# KiCad board RUSP_Mainboard.kicad_pcb (continued)
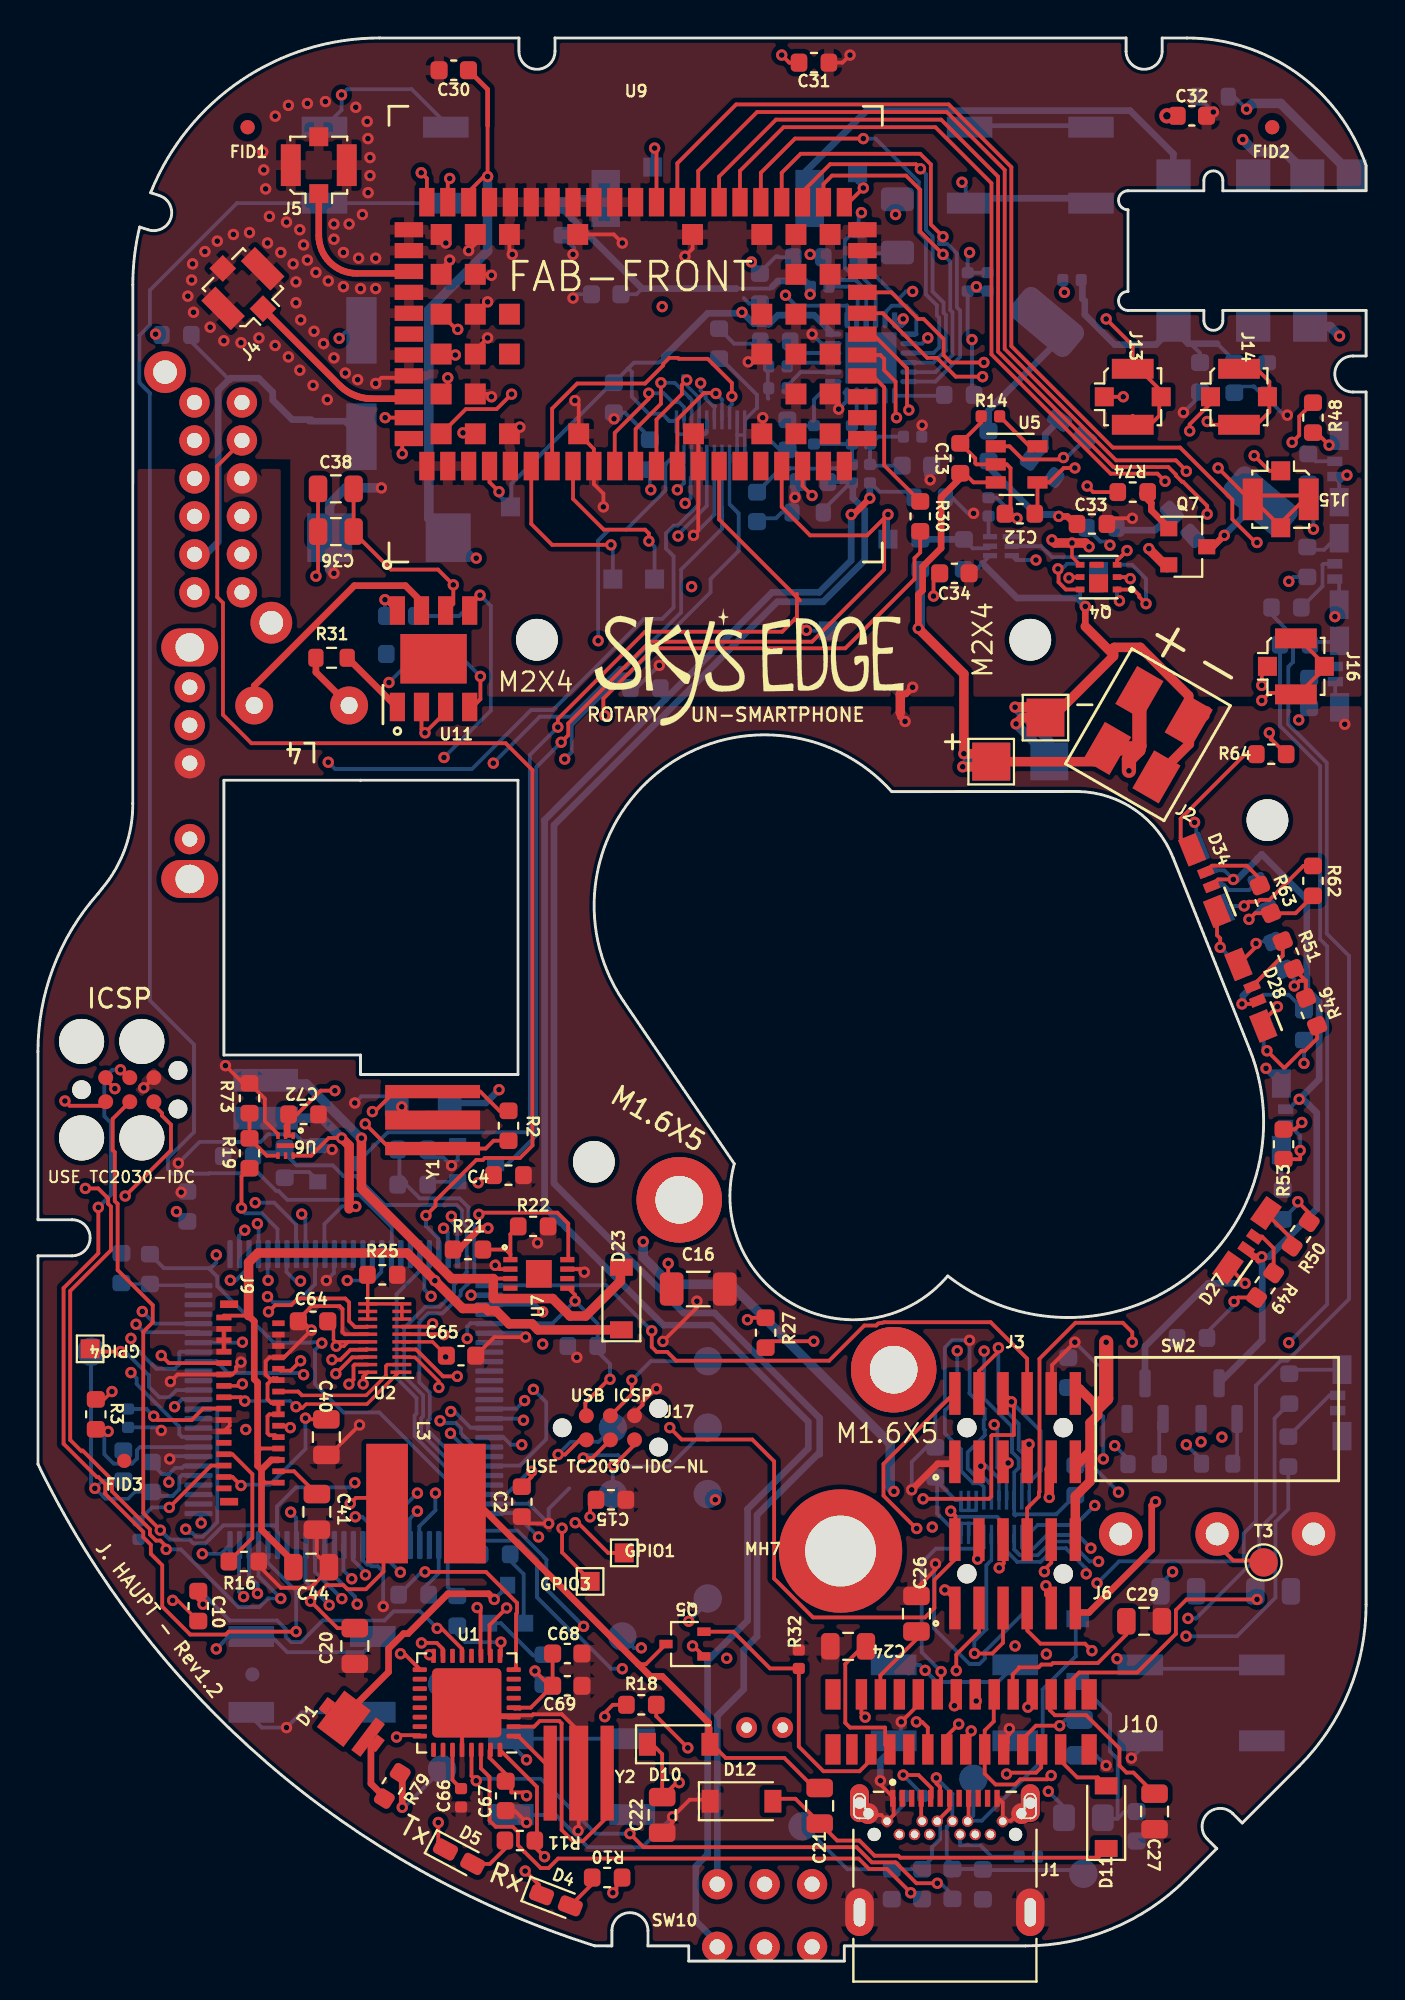
[diagram p0: board, top side]
## Library data of the parts
C2-C6 C10 = -: Distrib Part No.: 1276-1000-1-ND; Distrib. Name: Digi-Key; Label: 50V
C8 C9 = -: Distrib Part No.: 399-7918-1-ND; Distrib. Name: Digi-Key
C12 C13 = -: Mfg. Name: Samsung; Mfg. Part No.: CL10A475KQ8NNNC
C14 = -: Field8: CHRG. CAP.; Mfg. Name: Wurth; Mfg. Part No.: 865080243007
C15 C72 = -: Notes: X5R or X7R
C16 C17 C57 = -: Mfg. Name: TDK; Mfg. Part No.: CGA5L1X7R1V106K160AC
C20-C22 = -: Mfg. Name: Samsung; Mfg. Part No.: CL21A475KBQNNNE
C23-C29 = -: Mfg. Name: Yageo; Mfg. Part No.: CC0805KKX7R9BB105
C30 = -: Mfg. Name: Murata; Mfg. Part No.: GRM1555C1H680JA01J
C32 = -: Mfg. Name: Yageo; Mfg. Part No.: CC0402DRNPO9BN8R2
C35 = -: Mfg. Name: Kemet; Mfg. Part No.: T520D337M006ATE045
C36 C38 C40 = -: Mfg. Name: Kemet; Mfg. Part No.: C0805C105K4RACTU
C41 C44 = -: Mfg. Name: Kemet; Mfg. Part No.: C0805C475K3PACTU
C43 C45 C51-C53 C55 C58 C59 C66 = -: Mfg. Name: Kemet; Mfg. Part No.: C0402C105K9PACTU
C50 C54 = -: Mfg. Name: Kemet; Mfg. Part No.: C0603C225K9PACTU
D1 = -: Color: WHITE; Mfg. Name: Osram; Mfg. Part No.: KW DSLP31.CC-GXHX-4J8K-Z444-60-R18
D2 = -: Color: AMBER; Distrib Part No.: 1830-1066-1-ND; Distrib. Name: DigiKey; Mfg. Name: Inolux; Mfg. Part No.: IN-S63AT5Y
D3 = -: Distrib Part No.: MBR130T3GOSCT-ND; Distrib. Name: DigiKey; Mfg. Name: ON Semiconductor; Mfg. Part No.: MBR130T3G
D4 = -: Color: Rx/GREEN; Distrib Part No.: 475-3442-1-ND‎; Distrib. Name: DigiKey; Mfg. Name: OSRAM; Mfg. Part No.: LT Q39G-Q1OO-25-1
D5 = -: Color: Tx/YELLOW; Distrib Part No.: 1830-1066-1-ND‎; Distrib. Name: DigiKey; Mfg. Name: Inolux; Mfg. Part No.: IN-S63AT5Y
D6 = -: Color: WHITE
D10-D12 = -: Mfg. Name: ON Semi; Mfg. Part No.: MBR0530
D15-D18 = -: Mfg. Name: AVX; Mfg. Part No.: USB0001DP
D22 = -: Alt. Part No.: LTST-C191TBKT; Color: TEAL; Mfg. Name: Rohm; Mfg. Part No.: SMLE13EC8TT86
D23 = -: Mfg. Name: Nexperia; Mfg. Part No.: PMEG2005EGWJ
D25-D34 = -: Mfg. Name: Dialight; Mfg. Part No.: 5988560207F
J1 = -: Mfg. Name: CUI; Mfg. Part No.: UJ31-CH-G1-SMT-TR
J2 = -: Mfg. Name: AVX; Mfg. Part No.: 009296002202906
J3 J6 = -: Mfg. Name: Samtec; Mfg. Part No.: FTSH-106-01-L-DV-P-TR
J4 J5 J13-J16 = -: Mfg. Name: Molex; Mfg. Part No.: 0734120110
J7 J17 = -: Label: ICSP; Mfg. Name: Tag-Connect; Mfg. Part No.: Mating Connector: TC2030-IDC
J8 = -: Label: TRRS JACK; Mfg. Name: CUI; Mfg. Part No.: SJ-43617-SMT-TR
J9 = -: Alt. Mfg. Name: or Hirose; Alt. Mfg. Par No.: FH26W-31S-0.3SHW(60); Mfg. Name: Crystalfontz; Mfg. Part No.: CS030Z31G-A0
J10 = -: Mfg. Name: Molex; Mfg. Part No.: 0525592452
L1 = -: Distrib Part No.: 240-2390-1-ND; Distrib. Name: DigiKey; Label: Ferrite Bead; Mfg. Name: Laird; Mfg. Part No.: MI0805K601R-10
L2 = -: Mfg. Name: Wurth; Mfg. Part No.: 74438336047
L3 = -: Mfg. Name: Wurth; Mfg. Part No.: 744053100
L4 = -: Mfg. Name: Bourns; Mfg. Part No.: RLB9012-472KL
L5-L8 = -: Mfg. Name: Murata; Mfg. Part No.: BLM15HD182SN1D
LS1 = -: Mfg. Name: PUI Audio; Mfg. Part No.: AR01232MS-SC12-WP-R
MH7 = -: Mfg. Name: PEM; Mfg. Part No.: SMTSO-M2-3ET
MH9 MH10 = -: Mfg. Name: PEM; Mfg. Part No.: SMTSO-M1.6-1ET
MK1 = -: Mfg. Name: PUI Audio; Mfg. Part No.: POM-2738P-R
Q1 Q2 = -: Mfg. Name: Diodes Incorporated; Mfg. Part No.: DMG2302UK-7
Q3 Q4 = -: Mfg. Name: TI
Q5 = -: Alt. Part No.: NX3020NAKW,115; Mfg. Name: Vishay; Mfg. Part No.: SI1308EDL-T1-GE3
Q6-Q9 = -: Mfg. Name: Fairchild
R2 = -: Distrib Part No.: 311-1.00MHRCT-ND; Distrib. Name: Digi-Key
R3 R6 R7 = -: Distrib Part No.: RMCF0603JT27R0CT-ND; Distrib. Name: Digi-Key
R4 R5 = -: Mfg. Name: Yageo; Mfg. Part No.: RC0402FR-075K1L
R8-R11 = -: Distrib Part No.: P1.0KGCT-ND; Distrib. Name: Digi-Key
R13 R35 R38 = -: Mfg. Name: Panasonic; Mfg. Part No.: ERJ-2GEJ222X
R14 = -: Label: Hi Rate; Mfg. Name: Panasonic; Mfg. Part No.: ERJ-2GEJ222X
R15 = -: Mfg. Name: Panasonic; Mfg. Part No.: ERJ-3GEYJ100V
R17 R45-R64 = -: Distrib Part No.: A130092CT-ND; Distrib. Name: Digi-Key
R32 = -: Mfg. Name: Panasonic; Mfg. Part No.: ERJ-2BQJR47X; Note: SETS COMPATIBILITY FOR GDEW029I6F
SW1 = -: Distrib Part No.: CKN9561-ND; Distrib. Name: DigiKey; Label: Mode; Mfg. Name: C&K; Mfg. Part No.: OS103011MA7QP1
SW2 = -: Mfg. Name: Omron; Mfg. Part No.: D2F-01FL2-A1
SW3 SW5 SW6 SW8 = -: Label: SIG STRENGTH; Mfg. Name: Panasonic; Mfg. Part No.: EVQ-Q2Y03W
SW4 = -: Label: CLEAR; Mfg. Name: Panasonic; Mfg. Part No.: EVQ-Q2Y03W
SW7 = -: Label: HOOK; Mfg. Name: Panasonic; Mfg. Part No.: EVQ-Q2Y03W
SW9 = -: Mfg. Name: E-Switch; Mfg. Part No.: EG4208
SW10 = -: Mfg. Name: Nidec Copal; Mfg. Part No.: CL-SB-22C-11
U1 = -: Mfg. Name: ATmega; Mfg. Part No.: ATmega16U2-MU
U2 U8 = -: Label: (3.8V -> 3.3V SHIFTER); Mfg. Name: TI; Mfg. Part No.: TXB0108DQSR
U3 = -: Mfg. Name: TI; Mfg. Part No.: BQ29703DSET
U4 = -: Distrib Part No.: ATMEGA2560V-8AURCT-ND; Distrib. Name: Digi-Key; Mfg. Name: Microchip Technology; Mfg. Part No.: ATMEGA2560V-8AUR
U5 = -: Mfg. Name: Microchip; Mfg. Part No.: MCP73831T-2ACI/OT
U6 = -: Mfg. Name: Microchip; Mfg. Part No.: MIC5528-3.3YMT-TR
U7 = -: Mfg. Name: Microchip; Mfg. Part No.: MCP1661T-E/MNY
U9 = -: Mfg. Name: u-blox
U10 = -: Label: (3.8V -> 1.8V SHIFTER); Mfg. Name: TI; Mfg. Part No.: TXB0108DQSR
U11 = -: Mfg. Name: Diodes Inc.; Mfg. Part No.: ZXBM5210-SP-13 or BA6287F-E2
U12 = -: Mfg. Name: Maxim; Mfg. Part No.: MAX9860ETG+
Y1 = -: Distrib Part No.: 535-10004-1-ND; Distrib. Name: Digi-Key; Label: 8MHz; Mfg. Name: Abracon; Mfg. Part No.: AWSCR-8.00CV-T
Y2 = -: Label: 16MHz; Mfg. Part No.: AWSCR-16.00CV-T

## Footprints (pads in the part's own frame, mm; a bottom-side part is the same pattern mirrored in y, then rotated)
ATmega2560_TQFP-100_14x14mm_P0.5mm
  rrect 1.475x0.28 smd: 1(-7.662,6) 2(-7.662,5.5) 3(-7.662,5) 4(-7.662,4.5) 5(-7.662,4) 6(-7.662,3.5) 7(-7.662,3) 8(-7.662,2.5) 9(-7.662,2) 10(-7.662,1.5) 11(-7.662,1) 12(-7.662,0.5) 13(-7.662,0) 14(-7.662,-0.5) 15(-7.662,-1) 16(-7.662,-1.5) 17(-7.662,-2) 18(-7.662,-2.5) 19(-7.662,-3) 20(-7.662,-3.5) 21(-7.662,-4) 22(-7.662,-4.5) 23(-7.662,-5) 24(-7.662,-5.5) 25(-7.662,-6) 51(7.662,-6) 52(7.662,-5.5) 53(7.662,-5) 54(7.662,-4.5) 55(7.662,-4) 56(7.662,-3.5) 57(7.662,-3) 58(7.662,-2.5) 59(7.662,-2) 60(7.662,-1.5) 61(7.662,-1) 62(7.662,-0.5) 63(7.662,0) 64(7.662,0.5) 65(7.662,1) 66(7.662,1.5) 67(7.662,2) 68(7.662,2.5) 69(7.662,3) 70(7.662,3.5) 71(7.662,4) 72(7.662,4.5) 73(7.662,5) 74(7.662,5.5) 75(7.662,6)
  rrect 0.28x1.475 smd: 26(-6,-7.662) 27(-5.5,-7.662) 28(-5,-7.662) 29(-4.5,-7.662) 30(-4,-7.662) 31(-3.5,-7.662) 32(-3,-7.662) 33(-2.5,-7.662) 34(-2,-7.662) 35(-1.5,-7.662) 36(-1,-7.662) 37(-0.5,-7.662) 38(0,-7.662) 39(0.5,-7.662) 40(1,-7.662) 41(1.5,-7.662) 42(2,-7.662) 43(2.5,-7.662) 44(3,-7.662) 45(3.5,-7.662) 46(4,-7.662) 47(4.5,-7.662) 48(5,-7.662) 49(5.5,-7.662) 50(6,-7.662) 76(6,7.662) 77(5.5,7.662) 78(5,7.662) 79(4.5,7.662) 80(4,7.662) 81(3.5,7.662) 82(3,7.662) 83(2.5,7.662) 84(2,7.662) 85(1.5,7.662) 86(1,7.662) 87(0.5,7.662) 88(0,7.662) 89(-0.5,7.662) 90(-1,7.662) 91(-1.5,7.662) 92(-2,7.662) 93(-2.5,7.662) 94(-3,7.662) 95(-3.5,7.662) 96(-4,7.662) 97(-4.5,7.662) 98(-5,7.662) 99(-5.5,7.662) 100(-6,7.662)
AudioJack_TRRS_CUI_SJ-43617-SMT-TR
  rect 1.6x1.6 smd: 1(0.8,4)
  rect 1.8x1.6 smd: 2(10.2,-4) 3(6,-4) 4(3,-4) 10(10.2,4) 11(6,4) 12(3.15,4)
AVX_PokeInConnector
  rect 1.6x2.3 smd: 1(1.5,1.7) 1(1.5,-1.7) 2(-1.5,1.7) 2(-1.5,-1.7)
AWSCR-16.00CV-T
  rect 0.7x5 smd: 1(-1.5,0) 3(1.5,0)
  rect 1x5 smd: 2(0,0)
BoostConverter_MCP1661
  rect 1.46x1.36 smd: (0,0)
  rect 0.28x0.75 smd: 1(-0.75,-1.5) 2(-0.25,-1.5) 3(0.25,-1.5) 4(0.75,-1.5) 5(0.75,1.5) 6(0.25,1.5) 7(-0.25,1.5) 8(-0.75,1.5)
BournsInductor_RLB9012-472KL
  round 2 hole 0.9: 1(-2.5,-0.04) 2(2.5,-0.04)
C_0402_1005Metric
  rrect 0.59x0.64 smd: 1(-0.485,0) 2(0.485,0)
C_0603_1608Metric
  rrect 0.9x0.95 smd: 1(-0.775,0) 2(0.775,0)
C_0805_2012Metric
  rrect 0.975x1.4 smd: 1(-0.938,0) 2(0.938,0)
C_2917
  rect 2.37x2.55 smd: 1(-3.125,0) 2(3.125,0)
Capacitor_Wurth865080243007
  rect 3.5x1.6 smd: 1(2.8,0) 2(-2.8,0)
CellModule_LARA
  rect 0.8x1.5 smd: 1(-11,-6.95) 2(-9.9,-6.95) 3(-8.8,-6.95) 4(-7.7,-6.95) 5(-6.6,-6.95) 6(-5.5,-6.95) 7(-4.4,-6.95) 8(-3.3,-6.95) 9(-2.2,-6.95) 10(-1.1,-6.95) 11(0,-6.95) 12(1.1,-6.95) 13(2.2,-6.95) 14(3.3,-6.95) 15(4.4,-6.95) 16(5.5,-6.95) 17(6.6,-6.95) 18(7.7,-6.95) 19(8.8,-6.95) 20(9.9,-6.95) 21(11,-6.95) 33(11,6.95) 34(9.9,6.95) 35(8.8,6.95) 36(7.7,6.95) 37(6.6,6.95) 38(5.5,6.95) 39(4.4,6.95) 40(3.3,6.95) 41(2.2,6.95) 42(1.1,6.95) 43(0,6.95) 44(-1.1,6.95) 45(-2.2,6.95) 46(-3.3,6.95) 47(-4.4,6.95) 48(-5.5,6.95) 49(-6.6,6.95) 50(-7.7,6.95) 51(-8.8,6.95) 52(-9.9,6.95) 53(-11,6.95)
  rect 1.5x0.8 smd: 22(11.95,-5.5) 23(11.95,-4.4) 24(11.95,-3.3) 25(11.95,-2.2) 26(11.95,-1.1) 27(11.95,0) 28(11.95,1.1) 29(11.95,2.2) 30(11.95,3.3) 31(11.95,4.4) 32(11.95,5.5) 54(-11.95,5.5) 55(-11.95,4.4) 56(-11.95,3.3) 57(-11.95,2.2) 58(-11.95,1.1) 59(-11.95,0) 60(-11.95,-1.1) 61(-11.95,-2.2) 62(-11.95,-3.3) 63(-11.95,-4.4) 64(-11.95,-5.5)
  rect 1.1x1.1 smd: 65(-10.25,-5.25) 66(-10.25,-3.15) 67(-10.25,-1.05) 68(-10.25,1.05) 69(-10.25,3.15) 70(-10.25,5.25) 71(-8.45,-5.25) 72(-8.45,-3.15) 73(-8.45,-1.05) 74(-8.45,1.05) 75(-8.45,3.15) 76(-8.45,5.25) 77(-6.65,-5.25) 78(-6.65,5.25) 79(-3,-5.25) 80(-3.05,5.25) 81(3.05,-5.25) 82(3,5.25) 83(6.65,-5.25) 84(6.65,5.25) 85(8.45,-5.25) 86(8.45,-3.15) 87(8.45,-1.05) 88(8.45,1.05) 89(8.45,3.15) 90(8.45,5.25) 91(10.25,-5.25) 92(10.25,-3.15) 93(10.25,-1.05) 94(10.25,1.05) 95(10.25,3.15) 96(10.25,5.25) 97(-6.65,-1.05) 98(-6.65,1.05) 99(6.65,-1.05) 100(6.65,1.05)
D_SOD-123
  rect 0.9x1.2 smd: 1(-1.65,0) 2(1.65,0)
Fiducial_0.75mm_Dia_1.5mm_Outer
  round 0.75 smd: ~(0,0)
FilamentLED_20mm
  rrect 4x2 smd: 1(-6.7,0) 2(8,0)
Hirose_FPC_FH26W-31S-0.3SHW(60)
  rect 0.4x0.95 smd: (-5.5,-1.025) (4.9,-1.025)
  rect 0.3x0.8 smd: 1(4.2,-1.3) 3(3.6,-1.3) 5(3,-1.3) 7(2.4,-1.3) 9(1.8,-1.3) 11(1.2,-1.3) 13(0.6,-1.3) 15(0,-1.3) 17(-0.6,-1.3) 19(-1.2,-1.3) 21(-1.8,-1.3) 23(-2.4,-1.3) 25(-3,-1.3) 27(-3.6,-1.3) 29(-4.2,-1.3) 31(-4.8,-1.3)
  rect 0.3x0.65 smd: 2(3.9,1.575) 4(3.3,1.575) 6(2.7,1.575) 8(2.1,1.575) 10(1.5,1.575) 12(0.9,1.575) 14(0.3,1.575) 16(-0.3,1.575) 18(-0.9,1.575) 20(-1.5,1.575) 22(-2.1,1.575) 24(-2.7,1.575) 26(-3.3,1.575) 28(-3.9,1.575) 30(-4.5,1.575)
Inductor10uH_Wurth_744053100
  rect 6.3x2.2 smd: 1(0,-2.05) 2(0,2.05)
Inductor_Wurth_74438336100
  rect 1.2x3.4 smd: 1(-1,0) 2(1,0)
L_0402_1005Metric
  rrect 0.59x0.64 smd: 1(-0.485,0) 2(0.485,0)
LDO_MIC5528
  rect 0.94x0.25 smd: (0,0)
  rect 0.18x0.35 smd: 1(-0.4,-0.525) 2(0,-0.525) 3(0.4,-0.525) 4(0.4,0.525) 5(0,0.525) 6(-0.4,0.525)
LED_0603_1608Metric_Castellated
  rrect 1.225x0.85 smd: 1(-0.812,0) 2(0.812,0)
LED_Dialight_5988560207F
  rect 0.5x0.8 smd: 1(0.4,0) 2(-0.4,0)
  rect 1.5x1 smd: 3(1.75,0.23) 4(-1.75,0.23)
LimitSwitch_D2F-01FL2-A1
  round 2.3 hole 1.2: 1(5.08,-4.3) 2(0,-4.3) 3(-5.08,-4.3)
Microphone_PUI_POM-2738P-R
  round 1.1 hole 0.55: 1(-0.95,0.8) 2(0.95,0.8)
Molex_24pFPC_Vert_0525592452
  rect 0.8x1.6 smd: (-6.5,1.45) (-6.5,-1.45) (7,1.45) (7,-1.45)
  rect 0.6x1.6 smd: 1(-5.5,-1.45) 2(-5,1.45) 3(-4.5,-1.45) 4(-4,1.45) 5(-3.5,-1.45) 6(-3,1.45) 7(-2.5,-1.45) 8(-2,1.45) 9(-1.5,-1.45) 10(-1,1.45) 11(-0.5,-1.45) 12(0,1.45) 13(0.5,-1.45) 14(1,1.45) 15(1.5,-1.45) 16(2,1.45) 17(2.5,-1.45) 18(3,1.45) 19(3.5,-1.45) 20(4,1.45) 21(4.5,-1.45) 22(5,1.45) 23(5.5,-1.45) 24(6,1.45)
MountingHole_2.2mm_M2
  round 2.2 hole 2.2 unplated: (0,0)
NetTie-2_SMD_Pad0.5mm
  round 0.5 smd: 1(-0.5,0) 2(0.5,0)
Osram_1212
  rect 0.8x0.5 smd: 1(0,1.625) 2(0,-1.65)
  rect 2.4x1.75 smd: 1(0,0.5)
  rect 2.15x0.6 smd: 2(0,-1.1)
QFN-32-1EP_5x5mm_P0.5mm_EP3.65x3.65mm
  rrect 0.98x0.98 smd: (-1.22,1.22) (-1.22,0) (-1.22,-1.22) (0,1.22) (0,0) (0,-1.22) (1.22,1.22) (1.22,0) (1.22,-1.22)
  rrect 0.75x0.25 smd: 1(-2.475,1.75) 2(-2.475,1.25) 3(-2.475,0.75) 4(-2.475,0.25) 5(-2.475,-0.25) 6(-2.475,-0.75) 7(-2.475,-1.25) 8(-2.475,-1.75) 17(2.475,-1.75) 18(2.475,-1.25) 19(2.475,-0.75) 20(2.475,-0.25) 21(2.475,0.25) 22(2.475,0.75) 23(2.475,1.25) 24(2.475,1.75)
  rrect 0.25x0.75 smd: 9(-1.75,-2.475) 10(-1.25,-2.475) 11(-0.75,-2.475) 12(-0.25,-2.475) 13(0.25,-2.475) 14(0.75,-2.475) 15(1.25,-2.475) 16(1.75,-2.475) 25(1.75,2.475) 26(1.25,2.475) 27(0.75,2.475) 28(0.25,2.475) 29(-0.25,2.475) 30(-0.75,2.475) 31(-1.25,2.475) 32(-1.75,2.475)
  rrect 3.65x3.65 smd: 33(0,0)
R_0402_1005Metric
  rrect 0.59x0.64 smd: 1(-0.485,0) 2(0.485,0)
R_0603_1608Metric
  rrect 0.875x0.95 smd: 1(-0.787,0) 2(0.787,0)
R_0603_1608Metric#2
  rrect 0.8x0.95 smd: 1(-0.825,0) 2(0.825,0)
R_0805_2012Metric_Pad1.15x1.40mm_HandSolder
  rrect 1.15x1.4 smd: 1(-1.025,0) 2(1.025,0)
R_1206_3216Metric
  rrect 1.25x1.75 smd: 1(-1.4,0) 2(1.4,0)
Samtec_2x6Header_FTSH-106-01-L-DV
  round 1.02 hole 1.02 unplated: (-2.54,0) (2.54,0)
  rect 0.6x2.25 smd: 1(-3.175,-1.8) 2(-3.175,1.8) 3(-1.9,-1.8) 4(-1.905,1.8) 5(-0.635,-1.8) 6(-0.635,1.8) 7(0.635,-1.8) 8(0.635,1.8) 9(1.905,-1.8) 10(1.905,1.8) 11(3.175,-1.8) 12(3.175,1.8)
SMTSO-M1.6-1ET
  round 4.5 hole 2.5: 1(0,0.05) 1(0,0.05)
SMTSO-M2-3ET
  round 6.5 hole 3.73: 1(0,0)
SO-8EP
  rect 0.8x1.5 smd: 1(-1.905,-2.54) 2(-0.635,-2.54) 3(0.635,-2.54) 4(1.905,-2.54) 5(1.905,2.54) 6(0.635,2.54) 7(-0.635,2.54) 8(-1.905,2.54)
  rect 3.5x2.61 smd: 9(0,0)
SOT-23
  rect 0.9x0.8 smd: 1(-1,0.95) 2(-1,-0.95) 3(1,0)
SOT-23#2
  rrect 1.475x0.6 smd: 1(-0.938,0.95) 2(-0.938,-0.95) 3(0.938,0)
SOT-23-5
  rect 1.06x0.65 smd: 1(-1.1,0.95) 2(-1.1,0) 3(-1.1,-0.95) 4(1.1,-0.95) 5(1.1,0.95)
SOT-323_SC-70
  rect 0.7x0.45 smd: 1(-1,0.65) 2(-1,-0.65) 3(1,0)
SP3T_OS103011MA7QP1
  oval 2x3 hole 1.5: (-6.1,0) (6.1,0)
  round 1.6 hole 0.8: 1(-4,0) 2(0,0) 3(2,0) 4(4,0)
Speaker_PUI_AR01232MS-SC12-WP-R
  rect 1.5x3 smd: 1(-5.375,-2.25) 2(5.375,-2.25)
Switch_4PDT_ESwitch-EG4208
  round 2.2 hole 1.25: (-6.6,2.8) (6.6,-2.8)
  round 1.6 hole 0.8: 1(-5,1.25) 2(-3,1.25) 3(-1,1.25) 4(1,1.25) 5(3,1.25) 6(5,1.25) 7(-5,-1.25) 8(-3,-1.25) 9(-1,-1.25) 10(1,-1.25) 11(3,-1.25) 12(5,-1.25)
Switch_DPDT_Nidec_CL-SB-22C-XX
  round 1.6 hole 0.8: 1(-2.5,-1.65) 2(0,-1.65) 3(2.5,-1.65) 4(-2.5,1.65) 5(0,1.65) 6(2.5,1.65)
TactileSwitch_Panasonic_EVQ-Q2Y03W
  rect 2.4x1.1 smd: 1(-3.2,2) 1(3.2,2) 2(-3.2,-2) 2(3.2,-2)
Tag-Connect_TC2030-IDC
  round 2.375 hole 2.375 unplated: (0,2.54) (0,-2.54) (3.175,2.54) (3.175,-2.54)
  round 0.991 hole 0.991 unplated: (0,0) (5.08,1.016) (5.08,-1.016)
  round 0.787 smd: 1(1.27,-0.635) 2(1.27,0.635) 3(2.54,-0.635) 4(2.54,0.635) 5(3.81,-0.635) 6(3.81,0.635)
Tag-Connect_TC2030-IDC_MINIMAL
  round 0.991 hole 0.991 unplated: (-2.4,0) (2.68,1.016) (2.68,-1.016)
  round 0.787 smd: 1(-1.13,-0.635) 2(-1.13,0.635) 3(0.14,-0.635) 4(0.14,0.635) 5(1.41,-0.635) 6(1.41,0.635)
TestPoint_Pad_1.0x1.0mm
  rect 1x1 smd: 1(0,0)
TestPoint_Pad_2.0x2.0mm
  rect 2x2 smd: 1(0,0)
TestPoint_Pad_D1.5mm
  round 1.5 smd: 1(0,0)
TI_CSD16301Q2
  rect 0.45x0.3 smd: 1(-0.975,0.65) 2(-0.975,0) 3(-0.975,-0.65) 4(0.975,-0.65) 5(0.975,0) 6(0.975,0.65)
  rect 0.3x0.3 smd: 7(0.095,-0.65)
  rect 1x0.95 smd: 8(0,0.325)
TXB0108_USON-20_2x4mm_P0.4mm
  rect 1.1x0.18 smd: 1(-0.85,1.8)
  rect 1x0.18 smd: 2(-0.9,1.4) 3(-0.9,1) 4(-0.9,0.6) 5(-0.9,0.2) 6(-0.9,-0.2) 7(-0.9,-0.6) 8(-0.9,-1) 9(-0.9,-1.4) 10(-0.9,-1.8) 11(0.9,-1.8) 12(0.9,-1.4) 13(0.9,-1) 14(0.9,-0.6) 15(0.9,-0.2) 16(0.9,0.2) 17(0.9,0.6) 18(0.9,1) 19(0.9,1.4) 20(0.9,1.8)
U.FL_Molex_MCRF_73412-0110_Vertical
  rect 1x1 smd: 1(0,-1.5) 2(0,1.5)
  rect 1.05x2.2 smd: 2(-1.475,0) 2(1.475,0)
USBC_CUI_UJ31-CH-G1-SMT-TR
  round 0.7 hole 0.7 unplated: (-3.725,2.595) (3.725,2.595)
  rect 0.28x0.89 smd: A1(-2.75,4.5) A2(-2.25,4.5) A3(-1.75,4.5) A4(-1.25,4.5) A5(-0.75,4.5) A6(-0.25,4.5) A7(0.25,4.5) A8(0.75,4.5) A9(1.25,4.5) A10(1.75,4.5) A11(2.25,4.5) A12(2.75,4.5)
  round 0.6 hole 0.4: B1(3.05,3.295) B2(2.4,2.595) B3(1.6,2.595) B4(1.2,3.295) B5(0.8,2.595) B6(0.4,3.295) B7(-0.4,3.295) B8(-0.8,2.595) B9(-1.2,3.295) B10(-1.6,2.595) B11(-2.4,2.595) B12(-3.05,3.295)
  oval 1x2 hole 0.6: S1(-4.5,4.245) S1(4.5,4.245)
  oval 1.5x2.5 hole 0.6x1.5: S1(-4.5,-1.505) S1(4.5,-1.505)
  round 1.1 hole 0.5: S1(-4.05,3.695) S1(4.05,3.695)
WQFN-24-1EP_4x4mm_P0.5mm_EP2.7x2.7mm
  rect 1.1x1.1 smd: (-0.7,-0.7) (-0.7,0.7) (0.7,-0.7) (0.7,0.7)
  custom 0.85x0.28 smd: 1(-1.69,1.25) 2(-1.69,0.75) 3(-1.69,0.25) 4(-1.69,-0.25) 5(-1.69,-0.75) 6(-1.69,-1.25) 13(1.69,-1.25) 14(1.69,-0.75) 15(1.69,-0.25) 16(1.69,0.25) 17(1.69,0.75) 18(1.69,1.25)
  custom 0.28x0.85 smd: 7(-1.25,-1.69) 8(-0.75,-1.69) 9(-0.25,-1.69) 10(0.25,-1.69) 11(0.75,-1.69) 12(1.25,-1.69) 19(1.25,1.69) 20(0.75,1.69) 21(0.25,1.69) 22(-0.25,1.69) 23(-0.75,1.69) 24(-1.25,1.69)
  rect 2.7x2.7 smd: 25(0,0)
WSON-6_1.5x1.5mm_P0.5mm
  rect 0.85x0.28 smd: 1(-0.525,0.5)
  rect 0.75x0.28 smd: 2(-0.575,0) 3(-0.575,-0.5) 4(0.575,-0.5) 5(0.575,0) 6(0.575,0.5)

## Nets
+1V8: C39.1 C56.1 C57.1 C58.1 C59.1 J6.11 R36.1 R37.1 R39.1 T12.1 U9.4 U10.1 U10.5 U12.6 U12.11 U12.13
+3V3: C19.1 C20.2 C43.2 C65.1 C72.2 J6.2 J9.12 J9.15 J10.15 J10.16 L3.1 U2.5 U6.1 U6.2 U8.5
+3V8: 3V8.1 C3.1 C4.1 C5.1 C6.1 C15.2 C16.1 C18.1 C30.1 C31.1 C32.1 C33.1 C34.1 C35.1 C42.1 C64.1 C68.1 C69.1 J3.2 J3.3 J7.2 J17.2 L2.1 R1.2 R10.1 R11.1 R15.2 R18.2 R26.1 R27.1 R45.2 R46.2 R49.2 R50.2 R51.2 R52.2 R53.2 R54.2 R61.2 R62.2 R63.2 R64.2 R79.2 U1.4 U1.32 U2.16 U4.10 U4.31 U4.61 U4.80 U4.100 U6.6 U7.5 U8.16 U9.51 U9.52 U9.53 U10.16
+12V: C17.1 C36.1 C38.2 C44.1 D23.1 J9.2 J9.6 J9.8 J9.31 R21.1 U11.2 U11.3 U11.6
/3v3_EN: R19.2 U4.56
/12v_EN: U4.57 U7.8
/EPAPER DRIVER/VDD: C29.1 J10.18
GND: C1.2 C2.2 C3.2 C4.2 C5.2 C6.2 C7.2 C8.2 C9.2 C12.2 C13.1 C14.2 C15.1 C16.2 C17.2 C18.2 C19.2 C20.1 C22.1 C23.2 C24.2 C25.2 C26.2 C27.2 C28.2 C29.2 C36.2 C38.1 C40.2 C41.2 C43.1 C44.2 C45.1 C56.2 C57.2 C58.2 C59.2 C64.2 C65.2 C66.2 C67.2 C68.2 C69.2 C72.1 D12.1 D22.1 D26.2 D26.4 D30.2 D30.4 D31.2 D31.4 D32.2 D32.4 GND1.1 J1.A1 J1.A12 J1.B1 J1.B12 J1.S1 J3.1 J3.10 J6.1 J7.6 J9.10 J9.11 J9.13 J9.14 J9.16 J9.20 J9.21 J9.24 J9.25 J9.26 J9.27 J9.28 J9.29 J10.8 J10.17 J17.6 NT2.1 Q1.2 Q2.2 Q4.4 Q6.2 Q7.2 Q8.2 Q9.2 R4.2 R5.2 R13.1 R14.1 R16.2 R22.2 R23.2 R24.2 R25.2 R28.2 R32.2 R34.2 R41.2 R73.1 R75.2 SW1.2 SW2.1 SW3.2 SW4.2 SW5.2 SW6.2 SW7.2 SW8.2 SW9.9 U1.3 U1.28 U1.33 U2.15 U4.11 U4.32 U4.62 U4.81 U4.99 U5.2 U6.3 U7.2 U7.7 U8.15 U11.8 U12.12 Y1.2 Y2.2
GNDA: C30.2 C31.2 C32.2 C33.2 C34.2 C35.2 C39.2 C42.2 C46.2 C47.2 C48.2 C49.2 C50.2 C53.2 C54.2 C55.2 C60.2 C61.2 C62.2 C63.2 D15.2 D16.2 D17.2 D18.2 J4.2 J5.2 NT2.2 R33.2 R35.2 U9.1 U9.2 U9.3 U9.5 U9.9 U9.14 U9.20 U9.21 U9.22 U9.30 U9.31 U9.32 U9.43 U9.44 U9.45 U9.46 U9.47 U9.48 U9.49 U9.50 U9.54 U9.55 U9.57 U9.58 U9.60 U9.61 U9.69 U9.70 U9.71 U9.72 U9.73 U9.74 U9.75 U9.76 U9.77 U9.78 U9.79 U9.80 U9.81 U9.82 U9.83 U9.84 U9.85 U9.86 U9.87 U9.88 U9.89 U9.90 U9.92 U9.93 U9.94 U9.95 U9.96 U9.99 U9.100 U10.15 U12.5 U12.24
VBUS: C12.1 C67.1 J6.3 L1.2 R17.2 U1.31 U5.4
+BATT: C13.2 J2.2 J3.11 J3.12 J6.12 R12.1 SW9.2 TP2.1 TP4.1 U5.3
/AREF: C2.1 U4.98
/AUDIO/BLCK: U9.36 U12.18
/AUDIO/LRCLK: U9.34 U12.17
/AUDIO/MCLK: U9.19 U12.14
/AUDIO/SCL: R37.2 U9.27 U12.10
/AUDIO/SDA: R36.2 U9.26 U12.9
/AUDIO/SDIN: U9.35 U12.16
/AUDIO/SDOUT: U9.37 U12.15
/CELL MODEM/ANT1: J5.1 U9.56
/CELL MODEM/ANT2: J4.1 U9.62
/CELL MODEM/CTS_1v8: U9.11 U10.3
/CELL MODEM/DCD_1v8: T9.1 U9.8
/CELL MODEM/DSR_1v8: T2.1 U9.6
/CELL MODEM/NETSTAT: R30.1 U9.25
/CELL MODEM/RI_1v8: U9.7 U10.8
/CELL MODEM/RTS_1v8: U9.10 U10.2
/CELL MODEM/RXD_1v8: U9.13 U10.7
/CELL MODEM/SDIO-CLK: J14.1 U9.64
/CELL MODEM/SDIO-CMD: J14.2 U9.65
/CELL MODEM/SDIO-D0: J13.1 U9.66
/CELL MODEM/SDIO-D1: J13.2 U9.68
/CELL MODEM/SDIO-D2: J15.1 U9.63
/CELL MODEM/SDIO-D3: J15.2 U9.67
/CELL MODEM/TXD_1v8: U9.12 U10.4
/CELL MODEM/USB_D+: J16.1 U9.29
/CELL MODEM/USB_D-: J16.2 U9.28
/CELL_CTS: U4.94 U10.18
/CELL_ON: R41.1 R65.2 U4.97
/CELL_PWR_DET: U4.95 U10.20
/CELL_RESET: R34.1 R40.2 U4.96
/CELL_RI: U4.18 U10.13
/CELL_RTS: U4.93 U10.19
/CELL_RXD: U4.45 U10.14
/CELL_TXD: U4.46 U10.17
/EPAPER DRIVER/EPD_CS_3v3: J10.12 U8.3
/EPAPER DRIVER/EPD_DC_3v3: J10.11 U8.4
/EPAPER DRIVER/EPD_MOSI_3v3: J10.14 U8.2
/EPAPER DRIVER/EPD_RES_3v3: J10.10 U8.7
/EPAPER DRIVER/EPD_SCK_3v3: J10.13 U8.1
/EPAPER DRIVER/GDR: J10.2 Q5.1
/EPAPER DRIVER/PREVGH: C22.2 D10.1 J10.21
/EPAPER DRIVER/PREVGL: D11.2 J10.23
/EPAPER DRIVER/RESE: J10.3 Q5.2 R32.1
/EPAPER DRIVER/VCOM: C28.1 J10.24
/EPAPER DRIVER/VGH: C24.1 J10.5
/EPAPER DRIVER/VGL: C26.1 J10.4
/EPAPER DRIVER/VPP: C25.1 J10.19
/EPAPER DRIVER/VSH: C23.1 J10.20
/EPAPER DRIVER/VSL: C27.1 J10.22
/EPD_BUSY: J10.9 U4.71
/EPD_CS: R26.2 U4.75 U8.18
/EPD_DC: U4.74 U8.17
/EPD_RESET: R27.2 U4.72 U8.14
/GPIO1: GPIO1.1 U4.5
/GPIO3: GPIO3.1 U4.7
/GPIO4: GPIO4.1 U4.39
/LED_1A: R59.2 U4.17
/LED_1R: R60.2 U4.16
/LED_2A: R47.2 U4.15
/LED_2R: R48.2 U4.13
/LED_3A: R55.2 U4.12
/LED_3R: R56.2 U4.52
/LED_4A: R57.2 U4.42
/LED_4R: R58.2 U4.91
/LED_5A: R42.2 U4.90
/LED_5R: R43.2 U4.89
/LED_BELL: R78.2 U4.1
/LED_FILAMENT: R74.2 U4.38
/LED_STAT: R44.2 U4.37
/MCURX-TO-FTDITX: R8.2 U4.2
/MCUTX-TO-FTDIRX: R9.1 U4.3
/MISO: J3.5 J7.1 MISO1.1 U4.22
/MOSI: J3.4 J7.4 MOSI1.1 U2.14 U4.21 U8.19
/NET_STAT: R30.2 U4.92
/OFFSIGNAL: SW9.8 U4.73
/OLED DRIVER/OLED_CS_3V3: J9.17 U2.1
/OLED DRIVER/OLED_DC_3V3: J9.19 U2.3
/OLED DRIVER/OLED_IREF: J9.7 R16.1
/OLED DRIVER/OLED_MOSI_3V3: J9.23 U2.7
/OLED DRIVER/OLED_RES_3V3: J9.18 U2.2
/OLED DRIVER/OLED_SCL_3V3: J9.22 U2.4
/OLED DRIVER/OLED_VCOMH: C41.1 J9.4
/OLED DRIVER/OLED_VLOGIC: C45.2 J9.5
/OLED DRIVER/OLED_VP: C40.1 J9.3
/OLED_CS: U2.20 U4.78
/OLED_DC: U2.18 U4.54
/OLED_RES: U2.19 U4.53
/PDn: J6.10 U4.8
/POWSW4: J3.9 SW9.4
/RELAY_OFF: J6.4 U4.55
/RESET: C1.1 C10.2 J7.5 R1.1 RES1.1 U4.30
/RINGER+: R23.1 U4.43 U11.4
/RINGER-: R24.1 U4.44 U11.5
/SCK: J3.6 J7.3 SCK1.1 U2.17 U4.20 U8.20
/SD_CD: J3.7 U4.77
/SD_CS: J3.8 U4.76
/SIM_CLK: J6.8 U9.38
/SIM_IO: J6.9 U9.39
/SIM_RST: J6.7 U9.40
/SW_CLEAR: SW4.1 U4.67
/SW_HOOK: SW7.1 U4.68
/SW_MODE1: SW1.4 U4.58
/SW_MODE2: SW1.3 U4.59
/SW_MODE3: SW1.1 U4.60
/SW_MULTI1: SW3.1 U4.23
/SW_MULTI2: SW6.1 U4.25
/SW_MULTI3: SW5.1 U4.24
/SW_MULTI4: SW8.1 U4.26
/SW_ROTARY: SW2.2 T3.1 U4.6
/USB PORT AND BRIDGE/16U2_MISO: 16MISO1.1 J17.1 U1.17
/USB PORT AND BRIDGE/16U2_MOSI: 16MOSI1.1 J17.4 U1.16
/USB PORT AND BRIDGE/16U2_RESET: 16RES1.1 J17.5 R18.1 U1.24
/USB PORT AND BRIDGE/16U2_SCK: 16SCK1.1 J17.3 U1.15
/USB PORT AND BRIDGE/FTDI-RESET: C10.1 U1.13
/USB PORT AND BRIDGE/FTDI-RX: R9.2 U1.8
/USB PORT AND BRIDGE/FTDI-TX: R8.1 U1.9
/VSIM: J6.6 U9.41
LL_OE: J6.5 R29.2 U2.6 U8.6 U10.6
Net-(C7-Pad1): C7.1 D3.1 L1.1
Net-(C8-Pad1): C8.1 J1.A7 J1.B7 R7.2 USBD-1.1
Net-(C9-Pad1): C9.1 J1.A6 J1.B6 R6.2 USBD+1.1
Net-(C11-Pad1): C11.1 R12.2 U3.5
Net-(C11-Pad2): C11.2 J2.1 Q3.4 TP1.1 TP3.1 U3.4
Net-(C14-Pad1): C14.1 R20.2 SW9.5
Net-(C21-Pad1): C21.1 D11.1 D12.2
Net-(C21-Pad2): C21.2 D10.2 L3.2 Q5.3
Net-(C46-Pad1): C46.1 D15.1 L5.2 SW10.1
Net-(C47-Pad1): C47.1 D16.1 L6.2 SW10.4
Net-(C48-Pad1): C48.1 C51.2 L5.1 R35.1
Net-(C49-Pad1): C49.1 C52.2 L6.1 R38.1
Net-(C50-Pad1): C50.1 R38.2 U12.1
Net-(C51-Pad1): C51.1 U12.22
Net-(C52-Pad1): C52.1 U12.23
Net-(C53-Pad1): C53.1 U12.3
Net-(C54-Pad1): C54.1 U12.4
Net-(C55-Pad1): C55.1 U12.2
Net-(C60-Pad1): C60.1 C62.1 D17.1 J8.2 L7.1
Net-(C61-Pad1): C61.1 C63.1 D18.1 J8.1 L8.1 LS1.2 MK1.1 SW10.5
Net-(C66-Pad1): C66.1 U1.27
Net-(D1-Pad1): D1.1 Q6.3
Net-(D1-Pad2): D1.2 R79.1
Net-(D2-Pad1): D2.1 U5.1
Net-(D2-Pad2): D2.2 R17.1
Net-(D3-Pad2): D3.2 J1.A4 J1.A9 J1.B4 J1.B9 VBUS1.1
Net-(D4-Pad1): D4.1 U1.10
Net-(D4-Pad2): D4.2 R10.2
Net-(D5-Pad1): D5.1 U1.11
Net-(D5-Pad2): D5.2 R11.2
Net-(D6-Pad1): D6.1 Q7.3
Net-(D6-Pad2): D6.2 R15.1
Net-(D22-Pad2): D22.2 R44.1
Net-(D23-Pad2): D23.2 L2.2 U7.3
Net-(D25-Pad1): D25.1 R45.1
Net-(D25-Pad2): D25.2 D27.2 D28.2 D29.2 D33.2 D34.2 Q8.3
Net-(D25-Pad3): D25.3 R46.1
Net-(D25-Pad4): D25.4 D27.4 D28.4 D29.4 D33.4 D34.4 Q9.3
Net-(D26-Pad1): D26.1 R47.1
Net-(D26-Pad3): D26.3 R48.1
Net-(D27-Pad1): D27.1 R49.1
Net-(D27-Pad3): D27.3 R50.1
Net-(D28-Pad1): D28.1 R51.1
Net-(D28-Pad3): D28.3 R52.1
Net-(D29-Pad1): D29.1 R53.1
Net-(D29-Pad3): D29.3 R54.1
Net-(D30-Pad1): D30.1 R55.1
Net-(D30-Pad3): D30.3 R56.1
Net-(D31-Pad1): D31.1 R57.1
Net-(D31-Pad3): D31.3 R58.1
Net-(D32-Pad1): D32.1 R59.1
Net-(D32-Pad3): D32.3 R60.1
Net-(D33-Pad1): D33.1 R61.1
Net-(D33-Pad3): D33.3 R62.1
Net-(D34-Pad1): D34.1 R63.1
Net-(D34-Pad3): D34.3 R64.1
Net-(J1-PadA5): J1.A5 R5.1
Net-(J1-PadB5): J1.B5 R4.1
Net-(J8-Pad4): J8.4 SW10.2
Net-(J8-Pad10): J8.10 LS1.1
Net-(J8-Pad12): J8.12 MK1.2
Net-(L4-Pad1): L4.1 R31.2
Net-(L4-Pad2): L4.2 U11.7
Net-(L7-Pad2): L7.2 U12.7
Net-(L8-Pad2): L8.2 U12.8
Net-(Q1-Pad1): Q1.1 R40.1
Net-(Q1-Pad3): Q1.3 T15.1 U9.18
Net-(Q2-Pad1): Q2.1 R65.1
Net-(Q2-Pad3): Q2.3 T14.1 U9.15
Net-(Q3-Pad1): Q3.1 Q4.1
Net-(Q3-Pad2): Q3.2 Q4.2
Net-(Q3-Pad3): Q3.3 U3.3
Net-(Q3-Pad5): Q3.5 Q4.5
Net-(Q3-Pad6): Q3.6 Q4.6
Net-(Q4-Pad3): Q4.3 U3.2
Net-(Q6-Pad1): Q6.1 R78.1
Net-(Q7-Pad1): Q7.1 R74.1
Net-(Q8-Pad1): Q8.1 R42.1
Net-(Q9-Pad1): Q9.1 R43.1
Net-(R2-Pad1): R2.1 R3.1 Y1.3
Net-(R2-Pad2): R2.2 U4.34 Y1.1
Net-(R3-Pad2): R3.2 U4.33
Net-(R6-Pad1): R6.1 U1.29
Net-(R7-Pad1): R7.1 U1.30
Net-(R13-Pad2): R13.2 U3.6
Net-(R14-Pad2): R14.2 U5.5
Net-(R19-Pad1): R19.1 R73.2 U6.4
Net-(R20-Pad1): R20.1 SW9.3
Net-(R21-Pad2): R21.2 R22.1 U7.1
Net-(R25-Pad1): R25.1 U2.8 U2.9 U2.10 U2.11 U2.12 U2.13
Net-(R28-Pad1): R28.1 R29.1 U4.50
Net-(R31-Pad1): R31.1 U11.1
Net-(R33-Pad1): R33.1 U10.9 U10.10 U10.11 U10.12
Net-(R39-Pad2): R39.2 U12.19
Net-(R75-Pad1): R75.1 U8.8 U8.9 U8.10 U8.11 U8.12 U8.13
Net-(T1-Pad1): T1.1 U9.33
Net-(T13-Pad1): T13.1 U9.42
Net-(U1-Pad1): U1.1 Y2.1
Net-(U1-Pad2): U1.2 Y2.3

Pads without a net: FID1 ~; FID2 ~; FID3 ~; FID4 ~; FID5 ~; FID6 ~; J1 A2 A3 A8 A10 A11 B2 B3 B8 B10 B11; J8 3 11; J9 1 9 30; J10 1 6 7; MH7 1; MH9 1; MH10 1; Q3 7 8; Q4 7 8; SW2 3; SW9 1 6 7 10 11 12; SW10 3 6; U1 5 6 7 12 14 18 19 20 21 22 23 25 26; U3 1; U4 4 9 14 19 27 28 29 35 36 40 41 47 48 49 51 63 64 65 66 69 70 79 82 83 84 85 86 87 88; U6 5; U7 4 6; U9 16 17 23 24 59 91 97 98; U11 9; U12 20 21 25

## Via types
v1: diameter 0.6, hole 0.3, L1_GND+GNDA.Cu to L6_GND.Cu, 489 vias
v2: diameter 0.8, hole 0.4, L1_GND+GNDA.Cu to L6_GND.Cu, 1 via

## Routing (per net, layer and track width the routed paths; a pad name or vN(x,y) marks a point on that pad's centre or on a via; arc(x,y) is an arc through that point)
+1V8: length 151.4
  L1_GND+GNDA.Cu w0.2: U9.4 23.8,77.9 v1(24.3,77.4)
  L1_GND+GNDA.Cu w0.35: v1(58.9,24.2) 58.7,24 58.7,21.67 55.39,18.36 54.67,18.36
  L2_3v3+GNDA.Cu w0.2: v1(37.1,86.85) 37.1,89 v1(37.6,89.5)
  L3_3v8+GNDA.Cu w0.2: v1(37.6,89.5) 37.8,89.5 38.95,88.35 40.95,88.35 41.35,87.95 v1(46.1,87.95) 46.15,87.9 49.16,87.9 v1(49.46,88.2)
  L4_GND.Cu w0.35: v1(49.23,85.41) 50.39,85.41 60.3,75.5 60.3,69.78 59.72,69.2 59.72,63.02 67.85,54.89 67.85,32.03 60.02,24.2 v1(58.9,24.2)
  L6_GND.Cu w0.18: U10.5 35.25,80.53 ; 33.65,81.02 33.65,80.53 33.75,80.43
  L6_GND.Cu w0.2: 49.05,87.95 49.06,87.96 50,87.96 ; 33.65,81.3 33.65,80.9 ; 44.65,86.45 44.65,86.84 45.01,87.2 45.45,87.2 ; R37.1 43.3,89.61 45.36,87.55 ; 31.11,83.9 31.3,83.71 31.3,82.4 32.2,81.5 32.9,81.5 33.27,81.13 U10.1 ; 31.11,83.9 31.41,84.2 32.7,84.2 32.75,84.25 32.8,84.25 33.08,84.52 ; 31.11,83.9 C39.1 ; 45.45,87.2 45.76,87.2 46.3,86.66 46.3,85.7 U12.13 ; 45.45,87.2 45.45,87.46 45.36,87.55 ; 45.05,89.95 43.7,89.95 43.45,89.7 ; U12.6 41.8,85.7 ; 24.98,76.55 24.95,76.52 24.95,77.81 30.17,83.03 ; v1(37.6,89.5) 38.05,89.05 C56.1 38.05,88.95 38.9,89.8 ; T12.1 24.3,77.2 v1(24.3,77.4) ; v1(46.1,87.95) 45.75,87.95 45.36,87.55 ; 33.75,80.43 35.15,80.43 35.2,80.48 35.2,80.5 35.22,80.5 35.25,80.53 ; v1(49.46,88.2) 49.23,87.96 C58.1 49,85.64 v1(49.23,85.41) 49.23,82.72 49.3,82.65 ; 39,89.75 39,89.8 39.05,89.75 R36.1 ; 38.15,88.85 38.15,88.95
  L6_GND.Cu w0.35: 41.8,85.7 41.8,85.8 40.9,86.7 39,86.7 38.5,86.2 ; 33,84.5 35.3,86.8 37.17,86.8 37.73,86.25 38.55,86.25
+3V3: length 117.6
  L1_GND+GNDA.Cu w0.18: v1(21.49,31.82) 21.52,31.86 C65.1 20.8,32.62 U2.5
  L1_GND+GNDA.Cu w0.2: J10.15 49.9,12.15 50.37,12.62 50.37,14.07 ; v1(13.3,28.1) 13.2,28.2 J9.12 ; 18.21,24.71 18.21,20.52 17.29,19.59 16.31,19.59 16.1,19.8 15.21,19.8 v1(14.37,18.96) 15.79,17.54 C20.2 ; v1(6.1,28.7) 6.3,28.5 8.1,28.5 8.7,29.1 J9.15 ; 49.9,11.17 49.9,9.87 50.47,9.3 51.5,9.3 51.78,9.58 53.2,9.58 v1(53.4,9.78) ; v1(48.11,23.7) 48.35,23.46 48.35,22.6 ; 18.09,23.19 19.2,24.3 ; U6.2 13.05,44 14.9,45.85 v1(15.65,45.85) ; U6.2 13.21,43.64 C72.2 ; U6.2 U6.1 ; v1(33.3,28.1) 33.92,27.47 37.65,27.47 38.8,26.32 38.8,20.15 40.85,18.1 46.75,18.1 47.25,18.6 47.25,20.08 48.33,21.16 48.33,22.44 ; v1(16.46,24.1) 16.76,24.4 18.02,24.4
  L2_3v3+GNDA.Cu w0.2: v1(13.3,28.1) 13.3,27.3 16.46,24.14 v1(16.46,24.1)
  L3_3v8+GNDA.Cu w0.2: v1(53.15,16.17) 53.15,10.02 v1(53.4,9.78) ; v1(33.3,28.1) 33.1,28.1 32.94,28.26 31.64,28.26 29.6,30.3 29.6,30.83 29.28,31.15 27.95,31.15 v1(26.6,32.5)
  L5_3v8.Cu w0.2: v1(10.95,28) 13.2,28 v1(13.3,28.1) ; v1(53.15,16.17) 52.85,15.87 51.03,15.87 50.07,16.83 50.07,21.73 v1(48.11,23.7) 50.24,25.84 50.24,26.16 50.87,26.79 51.4,26.79 51.8,26.39 56.09,26.39 v1(56.15,26.45)
  L6_GND.Cu w0.18: U8.5 50.65,23.3
  L6_GND.Cu w0.2: v1(6.1,28.7) 5.72,29.08 C43.2 ; v1(56.15,26.45) 56.15,28.67 54.3,30.52 ; v1(48.11,23.7) 48.41,23.4 50.55,23.4 50.65,23.3
+3V8: length 182.8
  L1_GND+GNDA.Cu w0.18: 16.36,32.62 16.13,32.39 v1(15.72,32.39) ; 16.36,32.62 15.68,32.62 15.58,32.72 15.58,33.4 ; 16.36,32.62 U2.16
  L1_GND+GNDA.Cu w0.2: R50.2 67,39.4 v1(66.4,40) ; R49.2 63.25,34.95 v1(63.04,34.75) ; 33.4,35.6 33.22,35.78 v1(33.22,36.75) ; v1(39.2,100.4) 39.6,100 C31.1 ; v1(64.9,64.7) 65.01,64.59 65.01,64.35 ; v1(66.61,44.17) 66.25,43.81 R53.2 ; v1(23.2,41) 23.6,41.4 C4.1 ; 28.85,28.75 28.85,29.41 30.09,30.65 v1(30.15,30.65) ; 30.48,4.4 30.48,3.78 v1(30.3,3.6) ; 25.4,13.35 25.4,13.3 25.12,13.3 U1.4 25.98,13.35 C69.1 ; v1(16.01,43.36) 15.33,43.36 14.4,42.42 U6.6 ; R18.2 32.59,12.9 v1(34.25,11.23) ; v1(21.7,93.9) 21.6,93.8 U9.52 ; 48.4,30.02 44.57,26.19 44.57,24.51 46.29,22.79 v1(46.31,22.79) ; 26.3,6.5 26.3,9.17 U1.32 ; v1(16.75,39.75) 16.52,39.75 16.4,39.62 ; C69.1 C68.1 ; C69.1 26.98,14.5 v1(26.19,15.28) ; 23.7,96.7 v1(23.7,94) 23.5,94 22.7,93.2 U9.51 ; C34.1 47.2,72.77 v1(47.2,71.9) ; v1(49.69,26.07) 49.6,26.07 49.59,26.06 ; v1(66.21,51.36) 66.48,51.63 66.83,51.63 ; 28,35.4 28.31,35.09 v1(28.31,34.77) ; v1(63.83,54.88) 64.14,55.19 R63.2 66.28,55.19 R62.2 ; C15.2 29.1,23.99 v1(29.1,23.4) ; 65.01,64.35 R64.2 ; 65.01,64.35 64.98,64.35 ; J7.2 3.57,46.44 v1(4.05,45.96) ; 66.83,51.63 R51.2 ; 66.83,51.63 R46.2 ; v1(40.89,32.65) 38.69,32.65 R27.1 ; U9.53 20.5,93.9 v1(20.2,94.2) ; 26.1,6.1 v1(26.7,5.5)
  L1_GND+GNDA.Cu w0.25: 60.33,97.2 v2(59.5,97.2) ; C30.1 23.7,98.59 23.7,96.7
  L1_GND+GNDA.Cu w0.35: 54.75,75.6 54.25,76.1 v1(53.8,76.1) ; v1(19.2,8.1) 19.2,9.79 R79.2
  L1_GND+GNDA.Cu w0.5: 16.4,39.62 16.4,42.96 v1(16.01,43.36)
  L3_3v8+GNDA.Cu w0.35: v1(33.74,75.06) 33.74,75.03 34.97,73.8 44.7,73.8 46.6,71.9 v1(47.2,71.9)
  L4_GND.Cu w0.2: v1(26.38,22.34) 26.38,15.72 26.19,15.53 v1(26.19,15.28)
  L5_3v8.Cu w0.2: v1(49.69,26.07) 47.56,23.93 47.56,23.25 47.68,23.13 47.68,22.6 47.4,22.31 46.79,22.31 v1(46.31,22.79)
  L6_GND.Cu w0.18: U10.16 35.25,77.66 ; U8.16 50.65,25.41
  L6_GND.Cu w0.2: v1(19.2,8.1) 19.3,8.1 3V8.1 ; R26.1 55.54,26.11 v1(56.95,24.7) ; v1(66.21,51.36) 66.21,51.73 R52.2 ; 6.9,25.65 7.23,25.98 7.59,25.98 7.71,26.1 8.4,26.1 ; 6.9,25.65 6.55,25.65 5.9,26.3 ; 6.9,25.65 v1(6.9,25.22) ; 15.1,37.25 15.1,38.83 16.02,39.75 v1(16.75,39.75) ; 31.91,78.56 C42.1 32.25,77.55 v1(32.3,77.5) ; 35.25,77.66 35.25,76.65 33.74,75.14 v1(33.74,75.06) ; v1(7.3,39.48) 7.52,39.27 7.88,39.27 ; v1(66.73,47.29) R45.2 ; 23.75,23.6 25.13,23.6 v1(26.38,22.34) ; v1(49.69,26.07) 49.99,26.07 50.65,25.41 ; v1(23.1,73.9) 22.02,74.98 C35.1 ; v1(66.4,40) 66.4,39.86 R54.2 ; v1(26.19,15.28) 26.19,15.02 C3.1 ; v1(63.04,34.75) 63.04,34.55 61.61,33.12 C18.1 ; 23.6,94.1 v1(23.7,94) ; v1(30.15,30.65) 30.15,31.45 29.5,32.1 C6.1 29.5,33.58 v1(28.31,34.77) 27.14,33.6 22.8,33.6 22.62,33.42 v1(22.62,32.79) ; R61.2 64.34,55.39 v1(63.83,54.88) ; 32.25,78.6 32,78.6 ; 17.6,21.95 17.6,22.9 17.1,23.4 v1(16.73,23.4)
  L6_GND.Cu w0.35: v1(53.8,76.1) 53.7,76.2 52.6,76.2 50.1,78.7 R15.2
  L6_GND.Cu w0.5: v1(23.7,94) 23.7,90.08 20.6,86.98 20.6,76 C35.1 ; L2.1 14.96,44.4 v1(16.01,43.36)
+12V: length 107.6
  L1_GND+GNDA.Cu w0.2: 11.1,34 9.8,34 9.7,33.9 J9.31 ; 16.65,75.25 18.6,73.3 21.08,73.3 v1(21.89,72.49) 21.89,71.49 21.45,71.05 ; J9.2 11.97,25.2 11.79,25.39 ; 11.58,26.82 11.76,27 J9.8 ; C38.2 16.64,75.16 ; U11.2 20.21,64.88 v1(20.4,64.7) 21.48,65.78 U11.3
  L1_GND+GNDA.Cu w0.35: J9.6 12.3,26.4 11.79,25.89 ; 22.25,37.48 22.25,37.56 23.29,38.6 v1(23.72,38.6) ; 11.79,25.89 11.58,26.09 11.58,30.48 11.4,30.65 11.4,33.7 11.1,34 ; 11.79,25.89 11.79,22.71 13.5,21
  L1_GND+GNDA.Cu w0.5: 11.1,34 11.1,36.8 11.6,37.3 19.46,37.3 v1(20.92,35.84) 22.38,34.38 23.12,34.38 23.14,34.4 23.58,34.4 23.73,34.25 24.15,34.25 24.83,33.57 26.04,33.57 26.35,33.25 D23.1
  L2_3v3+GNDA.Cu w0.35: v1(20.92,35.84) 20.96,35.84 v1(23.72,38.6) 25.09,39.97 25.09,45.11 v1(24.3,45.9) 25.45,45.9 26.1,46.55 26.1,62.8 24.2,64.7 v1(20.4,64.7)
  L5_3v8.Cu w0.2: v1(20.4,64.7) 20.8,65.1 20.9,65.1 ; 21.55,71.3 21.55,72.15 v1(21.89,72.49)
  L5_3v8.Cu w0.35: 20.9,65.1 20.26,65.74 20.26,70.01 21.55,71.3
  L6_GND.Cu w0.35: C17.1 23.6,45.2 v1(24.3,45.9)
